# KiCad board mtk64_R_rev2.kicad_pcb (continued)
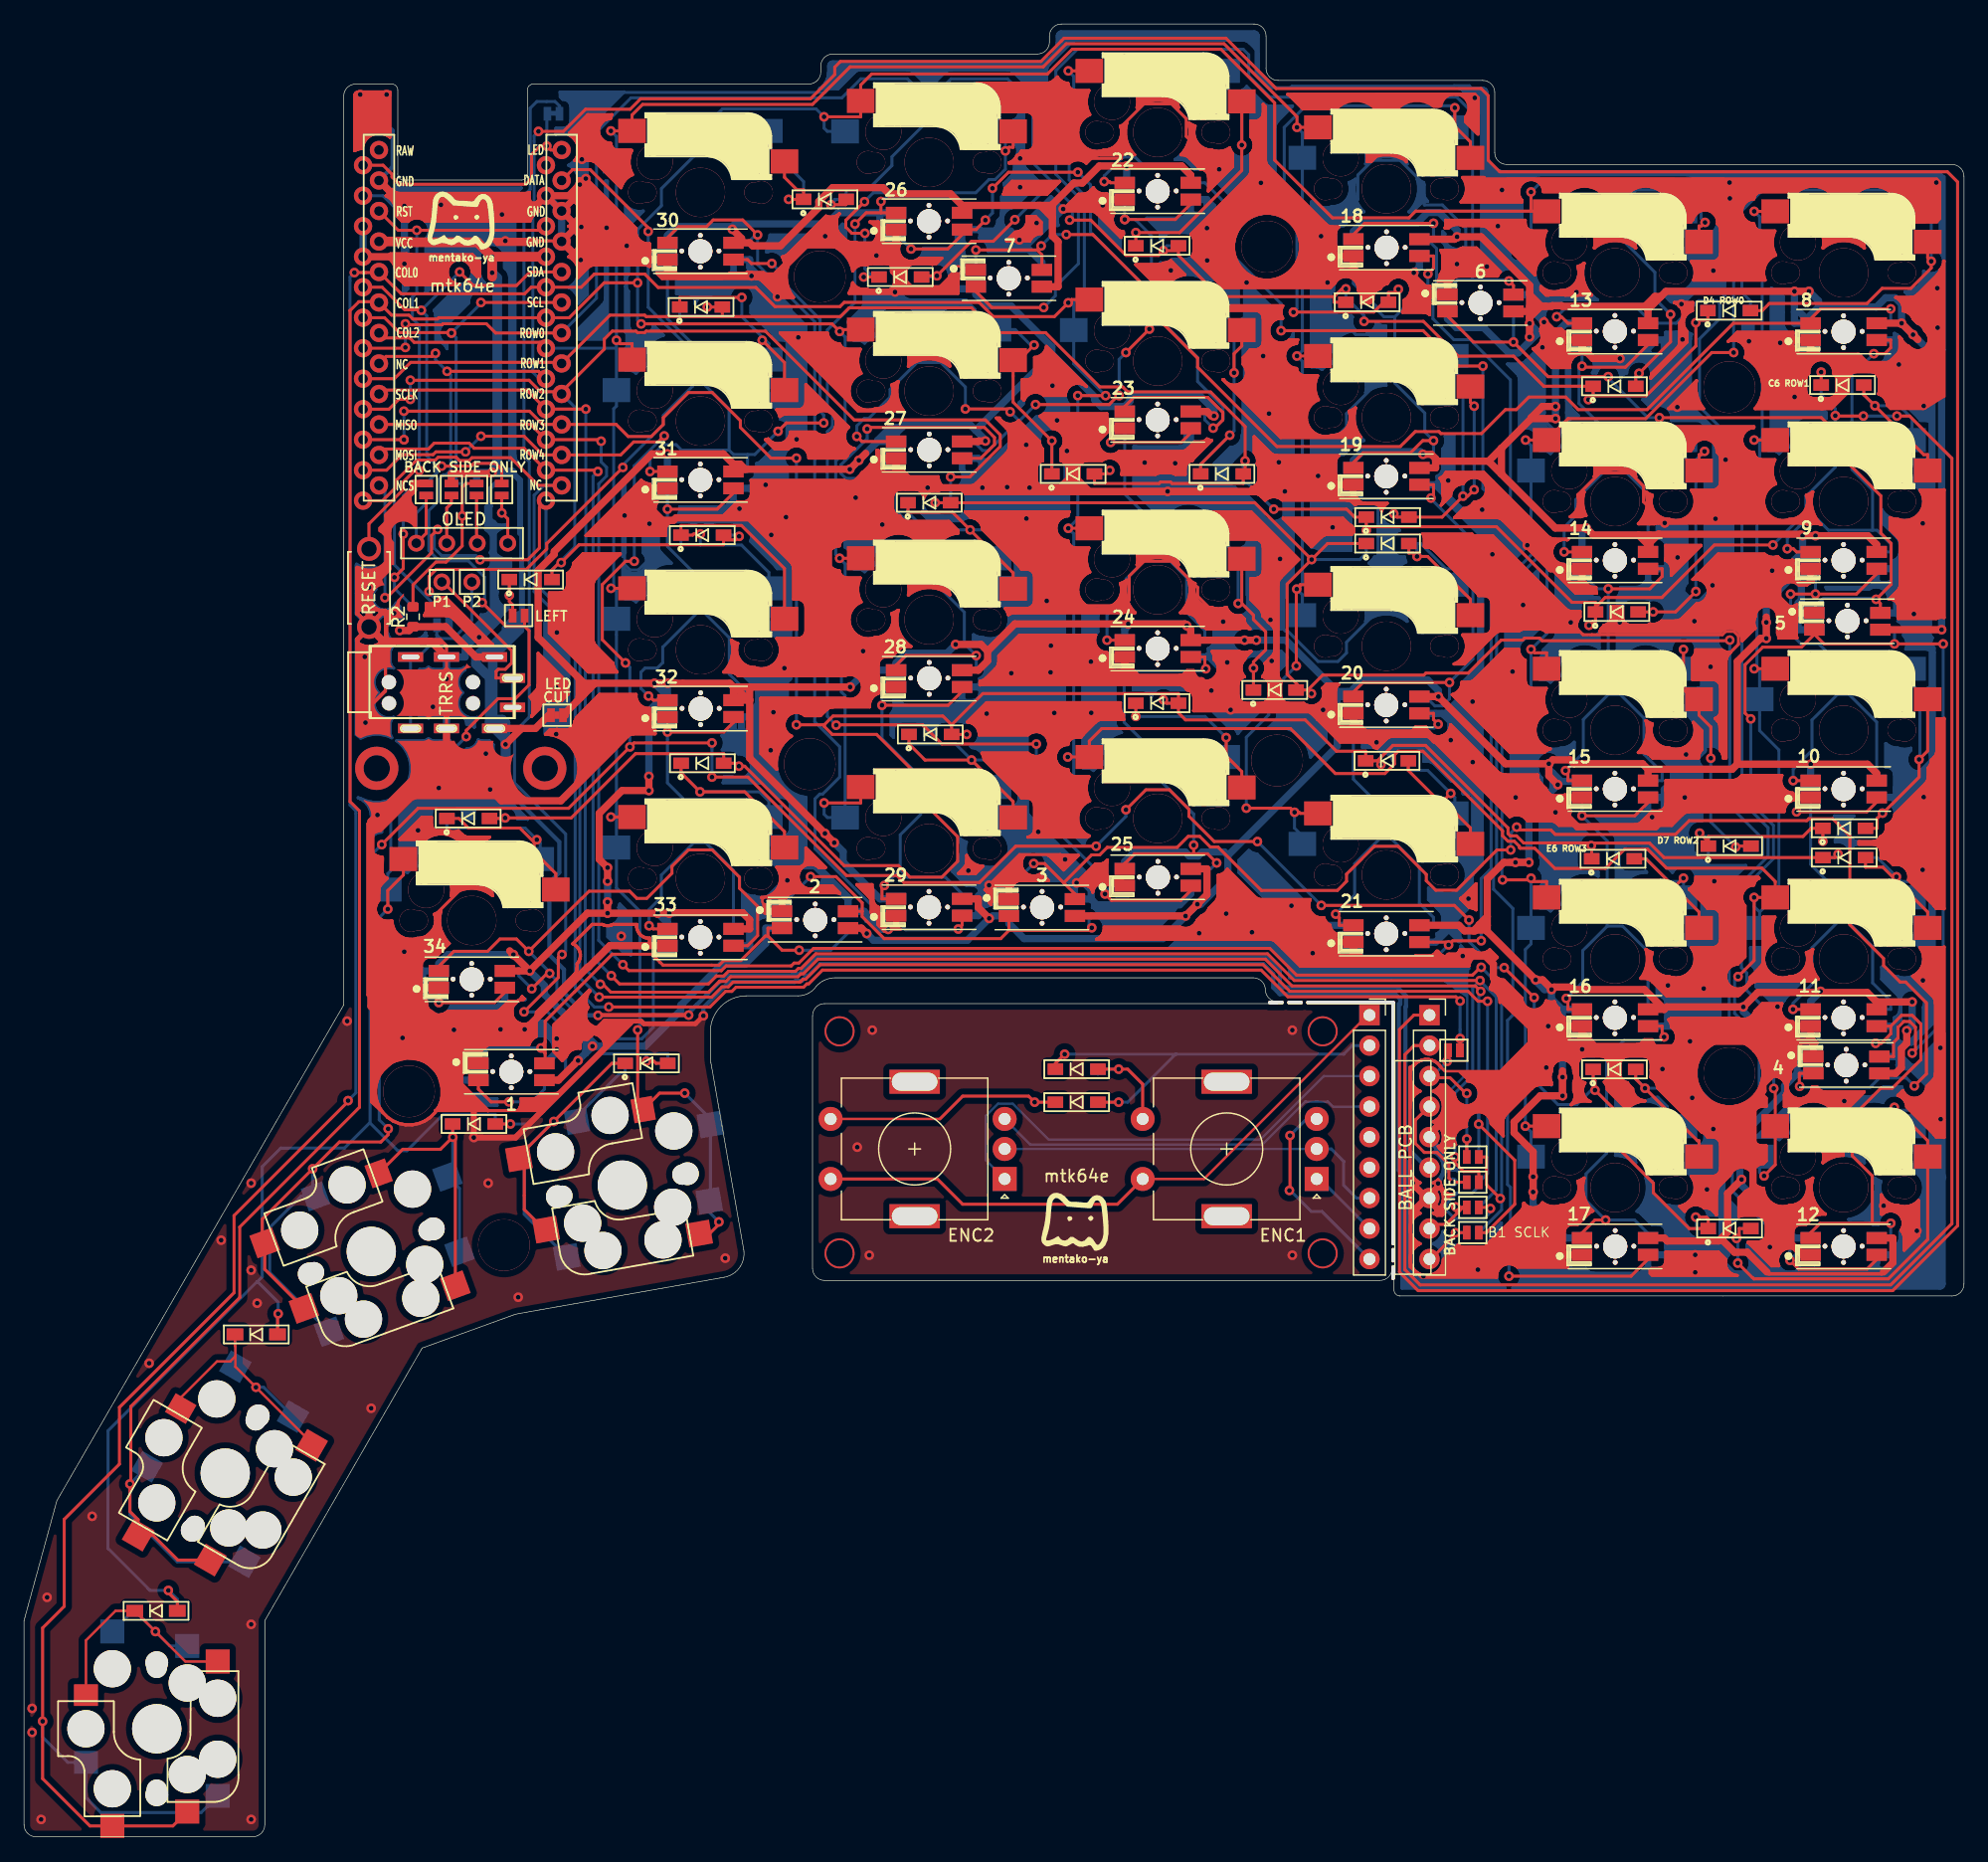
[diagram p0: board, top side]
## Routing (per net, layer and track width the routed paths; a pad name or vN(x,y) marks a point on that pad's centre or on a via; arc(x,y) is an arc through that point) (continued)
; 115.8,47.25 115.64,47.47 ; 115.99,47.05 116.21,46.9 ; 115.99,47.05 116.21,46.9 ; 47.46,66.89 47.66,66.85 ; 47.46,66.89 47.66,66.85 ; 47.46,66.89 47.26,66.89 ; 47.46,66.89 47.26,66.89 ; 47.66,66.85 47.85,66.77 ; 47.66,66.85 47.85,66.77 ; 82.62,79.54 82.52,79.45 ; 82.62,79.54 82.52,79.45 ; 146.07,71.6 146.37,71.54 ; 146.07,71.6 145.78,71.72 ; 146.07,71.6 145.78,71.72 ; 146.07,71.6 146.37,71.54 ; 146.37,71.54 146.69,71.54 ; 146.37,71.54 146.69,71.54 ; 78.85,92.82 78.65,92.86 ; 78.85,92.82 79.04,92.74 ; 78.85,92.82 79.04,92.74 ; 78.85,92.82 78.65,92.86 ; 78.65,92.86 78.59,92.86 ; 78.65,92.86 78.59,92.86 ; 118.37,52.96 118.29,52.77 ; 118.37,52.96 118.48,53.13 ; 118.37,52.96 118.29,52.77 ; 118.37,52.96 118.48,53.13 ; 118.29,52.77 118.25,52.57 ; 118.29,52.77 118.25,52.57 ; 28.74,100.6 27.79,99.65 ; 28.74,100.6 29.7,99.65 ; 28.74,100.6 29.7,99.65 ; 28.74,100.6 27.79,99.65 ; 27.79,99.65 27.88,99.38 ; 27.79,99.65 27.88,99.38 ; 148.43,110.52 148.54,110.79 ; 148.43,110.52 148.54,110.79 ; 148.54,110.79 148.59,111.08 ; 148.54,110.79 148.59,111.08 ; 87.02,135.7 86.82,135.66 ; 87.02,135.7 87.22,135.7 ; 87.02,135.7 87.22,135.7 ; 87.02,135.7 86.82,135.66 ; 86.82,135.66 86.63,135.58 ; 86.82,135.66 86.63,135.58 ; 86.01,109.3 85.97,109.1 ; 86.01,109.3 86.09,109.49 ; 86.01,109.3 86.09,109.49 ; 86.01,109.3 85.97,109.1 ; 85.97,109.1 85.97,108.89 ; 85.97,109.1 85.97,108.89 ; 91.44,104.02 91.39,104.31 ; 91.44,104.02 91.39,104.31 ; 91.44,104.02 91.44,103.73 ; 91.44,104.02 91.44,103.73 ; 91.39,104.31 91.35,104.4 ; 91.39,104.31 91.35,104.4 ; 130.89,113.98 130.82,114.32 ; 130.89,113.98 130.82,114.32 ; 130.89,113.98 130.89,113.56 ; 130.89,113.98 130.89,113.56 ; 130.82,114.32 131.03,114.41 ; 130.82,114.32 131.03,114.41 ; 91.4,93.71 91.45,93.6 ; 91.4,93.71 91.45,93.6 ; 91.45,93.6 91.53,93.5 ; 91.45,93.6 91.53,93.5 ; 67.71,135.04 67.88,135.15 ; 67.71,135.04 67.53,134.96 ; 67.71,135.04 67.53,134.96 ; 67.71,135.04 67.88,135.15 ; 67.88,135.15 67.93,135.19 ; 67.88,135.15 67.93,135.19 ; 129.65,101.63 129.59,101.58 ; 129.65,101.63 129.59,101.58 ; 129.59,101.58 129.48,101.41 ; 129.59,101.58 129.48,101.41 ; 127.13,86.83 127.3,86.72 ; 127.13,86.83 127.3,86.72 ; 48.35,66.15 48.39,65.95 ; 48.35,66.15 48.39,65.95 ; 48.35,66.15 48.28,66.34 ; 48.35,66.15 48.28,66.34 ; 48.39,65.95 48.39,65.75 48.39,65.95 ; 130.27,104.28 130.37,104.19 ; 130.27,104.28 130.37,104.19 ; 130.37,104.19 130.49,104.13 ; 130.37,104.19 130.49,104.13 ; 34.07,68.57 34.26,68.49 ; 34.07,68.57 34.26,68.49 ; 34.07,68.57 33.9,68.68 ; 34.07,68.57 33.9,68.68 ; 34.26,68.49 34.46,68.45 ; 34.26,68.49 34.46,68.45 ; 89.22,111.97 94.53,111.97 ; 89.22,111.97 89.19,111.96 ; 89.22,111.97 94.53,111.97 ; 89.22,111.97 89.19,111.96 ; 94.53,111.97 94.56,111.96 ; 94.53,111.97 94.56,111.96 ; 86.63,135.58 86.62,135.58 ; 86.63,135.58 86.62,135.58 ; 156.16,102.45 156.14,102.58 ; 156.16,102.45 156.16,101.49 ; 156.16,102.45 156.14,102.58 ; 156.16,102.45 156.16,101.49 ; 156.14,102.58 156.11,102.69 ; 156.14,102.58 156.11,102.69 ; 96.23,96.73 96.26,96.73 ; 96.23,96.73 92.69,96.73 ; 96.23,96.73 92.69,96.73 ; 96.23,96.73 96.26,96.73 ; 96.26,96.73 96.29,96.73 ; 96.26,96.73 96.29,96.73 ; 128.34,68.22 128.35,68.22 ; 128.34,68.22 128.35,68.22 ; 128.35,68.22 128.33,68.15 ; 128.35,68.22 128.33,68.15 ; 147.56,123.72 147.66,123.65 ; 147.56,123.72 147.66,123.65 ; 147.66,123.65 147.77,123.59 ; 147.66,123.65 147.77,123.59 ; 80.76,79.06 80.68,78.96 ; 80.76,79.06 80.68,78.96 ; 80.76,79.06 80.86,79.14 ; 80.76,79.06 80.86,79.14 ; 80.68,78.96 80.62,78.85 ; 80.68,78.96 80.62,78.85 ; 129.68,124.8 129.68,124.82 ; 129.68,124.8 128.48,124.8 ; 129.68,124.8 128.48,124.8 ; 129.68,124.8 129.68,124.82 ; 129.68,124.82 129.94,124.82 ; 129.68,124.82 129.94,124.82 ; 113.9,91.66 113.75,91.62 ; 113.9,91.66 114.01,91.67 ; 113.9,91.66 114.01,91.67 ; 113.9,91.66 113.75,91.62 ; 113.75,91.62 113.62,91.55 ; 113.75,91.62 113.62,91.55 ; 102.56,78.29 102.54,78.32 ; 102.56,78.29 102.54,78.32 ; 44.6,132.9 44.78,133.08 ; 44.6,132.9 44.61,132.89 ; 44.6,132.9 44.78,133.08 ; 44.6,132.9 44.61,132.89 ; 44.78,133.08 44.79,133.06 ; 44.78,133.08 44.79,133.06 ; 126.73,128.87 127.02,128.75 ; 126.73,128.87 126.47,129.04 ; 126.73,128.87 126.47,129.04 ; 126.73,128.87 127.02,128.75 ; 127.02,128.75 127.32,128.69 ; 127.02,128.75 127.32,128.69 ; 113.39,129.33 113.26,129.26 ; 113.39,129.33 113.54,129.37 ; 113.39,129.33 113.54,129.37 ; 113.39,129.33 113.26,129.26 ; 113.26,129.26 113.15,129.17 ; 113.26,129.26 113.15,129.17 ; 74.89,111.84 74.84,111.96 ; 74.89,111.84 74.84,111.96 ; 74.84,111.96 74.76,112.05 ; 74.84,111.96 74.76,112.05 ; 135.38,100.96 135.49,101.02 ; 135.38,100.96 135.49,101.02 ; 135.49,101.02 135.5,101.03 ; 135.49,101.02 135.5,101.03 ; 92.18,140.17 92.32,140.11 ; 92.18,140.17 92.32,140.11 ; 80.58,78.73 80.57,78.61 ; 80.58,78.73 80.62,78.85 ; 80.58,78.73 80.57,78.61 ; 80.58,78.73 80.62,78.85 ; 80.57,78.61 80.58,78.39 ; 80.57,78.61 80.31,78.61 ; 80.57,78.61 80.58,78.39 ; 80.57,78.61 80.31,78.61 ; 80.57,78.61 80.31,78.61 ; 80.57,78.61 80.31,78.61 ; 125.73,52.38 125.92,52.4 ; 125.73,52.38 125.55,52.4 ; 125.73,52.38 125.92,52.4 ; 125.73,52.38 125.55,52.4 ; 125.92,52.4 126.09,52.45 ; 125.92,52.4 126.09,52.45 ; 140.16,135.51 139.96,135.51 ; 140.16,135.51 139.96,135.51 ; 140.16,135.51 140.36,135.47 ; 140.16,135.51 140.36,135.47 ; 139.96,135.51 139.76,135.47 ; 139.96,135.51 139.76,135.47 ; 105.57,122.43 105.76,122.35 ; 105.57,122.43 105.76,122.35 ; 105.76,122.35 105.96,122.31 ; 105.76,122.35 105.96,122.31 ; 82.19,79.08 82.19,78.23 ; 82.19,79.08 82.35,79.24 ; 82.19,79.08 82.35,79.24 ; 82.19,79.08 82.19,78.23 ; 82.19,78.23 82.21,78.23 ; 82.19,78.23 82.21,78.23 ; 144.15,100.6 144.23,100.64 ; 144.15,100.6 144.23,100.64 ; 115,127.99 114.97,127.98 ; 115,127.99 114.97,127.98 ; 91.84,79.08 91.58,79.08 ; 91.84,79.08 91.58,79.08 ; 91.84,79.08 91.84,79.1 ; 91.84,79.08 91.84,79.1 ; 91.58,79.08 91.58,79.1 ; 91.58,79.08 91.58,79.1 ; 67.77,134.95 67.77,134.94 ; 67.77,134.95 67.84,135.07 ; 67.77,134.95 67.77,134.94 ; 67.77,134.95 67.84,135.07 ; 67.77,134.94 67.72,134.8 ; 67.77,134.94 67.72,134.8 ; 86.91,112.93 86.92,113.05 ; 86.91,112.93 86.92,113.05 ; 86.91,112.93 86.87,112.81 ; 86.91,112.93 86.87,112.81 ; 86.92,113.05 86.92,114 ; 86.92,113.05 86.92,114 ; 141.24,55.3 141.3,55.41 ; 141.24,55.3 141.3,55.41 ; 141.24,55.3 141.16,55.2 ; 141.24,55.3 141.16,55.2 ; 141.3,55.41 141.34,55.53 ; 141.3,55.41 141.34,55.53 ; 155.44,81.28 155.42,81.3 ; 155.44,81.28 155.74,80.97 ; 155.44,81.28 155.42,81.3 ; 155.44,81.28 155.74,80.97 ; 142.32,87.99 142.37,87.99 ; 142.32,87.99 142.37,87.99 ; 142.37,87.99 142.51,88 ; 142.37,87.99 142.51,88 ; 38.7,60.49 38.62,60.49 38.7,60.49 ; 38.7,60.49 38.62,60.49 30.98,68.14 30.7,68.14 ; 38.7,60.49 36.4,62.79 36.4,63.5 37.2,64.3 38.01,64.3 ; 38.7,60.49 38.63,60.51 38.7,60.49 ; 136.79,87.2 136.76,87.28 ; 136.79,87.2 136.8,87.08 ; 136.79,87.2 136.8,87.08 ; 136.79,87.2 136.76,87.28 ; 136.76,87.28 136.79,87.35 ; 136.76,87.28 136.79,87.35 ; 104.09,115.1 104.1,115.1 ; 104.09,115.1 104.1,115.1 ; 104.09,115.1 103.96,115.17 ; 104.09,115.1 103.96,115.17 ; 104.1,115.1 104.24,115.06 ; 104.1,115.1 104.24,115.06 ; 65.16,115.5 65.02,115.64 ; 65.16,115.5 65.27,115.33 ; 65.16,115.5 65.02,115.64 ; 65.16,115.5 65.27,115.33 ; 65.02,115.64 64.85,115.76 ; 65.02,115.64 64.85,115.76 ; 110.89,111.65 111.05,111.49 ; 110.89,111.65 110.89,112.5 ; 110.89,111.65 110.89,112.5 ; 110.89,111.65 111.05,111.49 ; 111.05,111.49 111.07,111.49 ; 111.05,111.49 111.07,111.49 ; 101.31,121.03 101.48,121.14 ; 101.31,121.03 101.48,121.14 ; 117.11,127.56 117.12,127.69 ; 117.11,127.56 117.12,127.69 ; 53.74,74.08 53.48,74.08 ; 53.74,74.08 53.74,74.1 ; 53.74,74.08 53.74,74.1 ; 53.74,74.08 53.48,74.08 ; 53.48,74.08 53.48,74.1 ; 53.48,74.08 53.48,74.1 ; 76.94,123.61 77.15,123.52 ; 76.94,123.61 76.59,123.85 ; 76.94,123.61 76.59,123.85 ; 76.94,123.61 77.15,123.52 ; 77.15,123.52 77.09,123.18 ; 77.15,123.52 77.09,123.18 ; 149.54,123.18 149.67,123.14 ; 149.54,123.18 149.42,123.24 ; 149.54,123.18 149.67,123.14 ; 149.54,123.18 149.42,123.24 ; 149.67,123.14 149.78,123.13 ; 149.67,123.14 149.78,123.13 ; 63.72,78.52 63.62,78.43 ; 63.72,78.52 63.84,78.59 ; 63.72,78.52 63.62,78.43 ; 63.72,78.52 63.84,78.59 ; 63.62,78.43 63.53,78.33 ; 63.62,78.43 63.53,78.33 ; 144.05,134.36 143.85,134.4 ; 144.05,134.36 143.85,134.4 ; 134.52,109.37 134.5,109.37 ; 134.52,109.37 134.56,109.37 ; 134.52,109.37 134.56,109.37 ; 134.52,109.37 134.5,109.37 ; 134.5,109.37 134.65,109.51 ; 134.5,109.37 134.65,109.51 ; 80.81,143.51 80.78,143.47 ; 80.81,143.51 80.78,143.47 ; 80.81,143.51 80.91,143.59 ; 80.81,143.51 80.91,143.59 ; 80.78,143.47 80.58,143.67 ; 80.78,143.47 80.58,143.67 ; 41.81,136.89 41.88,136.89 ; 41.81,136.89 41.77,136.89 ; 41.81,136.89 41.77,136.89 ; 41.81,136.89 41.88,136.89 ; 41.88,136.89 41.96,136.9 ; 41.88,136.89 41.96,136.9 ; 29.7,99.65 29.61,99.38 ; 29.7,99.65 29.61,99.38 ; 118.2,130.69 118.2,131.64 ; 118.2,130.69 118.2,130.65 ; 118.2,130.69 118.2,131.64 ; 118.2,130.69 118.2,130.65 ; 118.2,131.64 118.2,131.68 ; 118.2,131.64 118.2,131.68 ; 87.8,104.03 87.8,103.72 ; 87.8,104.03 87.86,104.34 ; 87.8,104.03 87.86,104.34 ; 87.8,104.03 87.8,103.72 ; 87.8,103.72 87.86,103.41 ; 87.8,103.72 87.86,103.41 ; 84.75,134.49 84.75,133.55 ; 84.75,134.49 84.28,134.96 ; 84.75,134.49 84.75,133.55 ; 84.75,134.49 84.28,134.96 ; 84.75,133.55 84.64,133.55 ; 84.75,133.55 84.64,133.55 ; 151.02,120.45 151.02,121.4 ; 151.02,120.45 151.02,121.4 ; 151.02,121.4 151.01,121.53 ; 151.02,121.4 151.01,121.53 ; 142.22,100.72 142.02,100.72 ; 142.22,100.72 142.02,100.72 ; 142.22,100.72 142.42,100.68 ; 142.22,100.72 142.42,100.68 ; 142.02,100.72 141.82,100.68 ; 142.02,100.72 141.82,100.68 ; 84.2,85.91 84.19,86.03 ; 84.2,85.91 84.2,83.91 ; 84.2,85.91 84.19,86.03 ; 84.2,85.91 84.2,83.91 ; 84.19,86.03 84.15,86.15 ; 84.19,86.03 84.15,86.15 ; 146.09,63.33 145.89,63.37 ; 146.09,63.33 146.27,63.25 ; 146.09,63.33 145.89,63.37 ; 146.09,63.33 146.27,63.25 ; 145.89,63.37 145.68,63.37 ; 145.89,63.37 145.68,63.37 ; 97.15,142.24 97.04,142.76 ; 97.15,142.24 97.15,141.71 ; 97.15,142.24 97.04,142.76 ; 97.15,142.24 97.15,141.71 ; 97.04,142.76 97.04,142.77 ; 97.04,142.76 97.04,142.77 ; 97.04,142.77 97.26,142.62 ; 97.04,142.77 97.26,142.62 ; 133.21,101.43 133.25,101.31 ; 133.21,101.43 133.2,101.55 ; 133.21,101.43 133.25,101.31 ; 133.21,101.43 133.2,101.55 ; 133.25,101.31 133.3,101.2 ; 133.25,101.31 133.3,101.2 ; 146.1,106.64 146.11,106.63 ; 146.1,106.64 146.02,106.61 ; 146.1,106.64 146.02,106.61 ; 146.1,106.64 146.11,106.63 ; 146.11,106.63 146.25,106.49 ; 146.11,106.63 146.25,106.49 ; 99.5,97.39 99.5,97.19 ; 99.5,97.39 99.5,97.19 ; 30.81,131.01 30.66,131.24 ; 30.81,131.01 30.92,130.75 ; 30.81,131.01 30.66,131.24 ; 30.81,131.01 30.92,130.75 ; 30.66,131.24 30.46,131.43 ; 30.66,131.24 30.46,131.43 ; 127.19,63.58 127.15,63.38 ; 127.19,63.58 127.15,63.38 ; 127.19,63.58 127.25,63.73 ; 127.19,63.58 127.25,63.73 ; 127.15,63.38 127.15,63.18 ; 127.15,63.38 127.15,63.18 ; 115.8,73.18 115.89,73.29 ; 115.8,73.18 115.7,73.09 ; 115.8,73.18 115.7,73.09 ; 115.8,73.18 115.89,73.29 ; 115.89,73.29 115.94,73.39 ; 115.89,73.29 115.94,73.39 ; 39.05,79.42 38.98,79.08 ; 39.05,79.42 38.98,79.08 ; 39.05,79.42 38.84,79.51 ; 39.05,79.42 38.84,79.51 ; 38.98,79.08 38.98,78.66 ; 38.98,79.08 38.98,78.66 ; 141.27,66.28 140.77,66.07 ; 141.27,66.28 140.77,66.07 ; 141.27,66.28 141.81,66.39 ; 141.27,66.28 141.81,66.39 ; 140.77,66.07 140.31,65.76 ; 140.77,66.07 140.31,65.76 ; 144.49,55.97 144.32,55.85 ; 144.49,55.97 144.32,55.85 ; 144.32,55.85 144.17,55.71 ; 144.32,55.85 144.17,55.71 ; 126.14,62.64 126.1,62.63 ; 126.14,62.64 126.16,62.64 ; 126.14,62.64 126.1,62.63 ; 126.14,62.64 126.16,62.64 ; 126.1,62.63 125.97,62.59 ; 126.1,62.63 125.97,62.59 ; 154.54,82.49 154.44,82.57 ; 154.54,82.49 154.44,82.57 ; 154.54,82.49 154.62,82.39 ; 154.54,82.49 154.62,82.39 ; 154.44,82.57 154.33,82.63 ; 154.44,82.57 154.33,82.63 ; 147.69,101.18 147.68,101.05 ; 147.69,101.18 147.72,101.25 ; 147.69,101.18 147.72,101.25 ; 147.69,101.18 147.68,101.05 ; 147.68,101.05 147.68,100.05 ; 147.68,101.05 147.68,100.05 ; 111.32,130.24 111.44,130.18 ; 111.32,130.24 111.44,130.18 ; 137.8,71.54 137.48,71.54 ; 137.8,71.54 137.48,71.54 ; 110.63,93.7 110.63,93.72 ; 110.63,93.7 109.43,93.7 ; 110.63,93.7 109.43,93.7 ; 110.63,93.7 110.63,93.72 ; 110.63,93.72 110.89,93.72 ; 110.63,93.72 110.89,93.72 ; 154.56,120.33 154.57,120.45 ; 154.56,120.33 154.52,120.21 ; 154.56,120.33 154.57,120.45 ; 154.56,120.33 154.52,120.21 ; 154.57,120.45 154.57,121.4 ; 154.57,120.45 154.57,121.4 ; 156.33,107.74 156.32,107.78 ; 156.33,107.74 156.32,107.78 ; 90.38,98.15 91.58,98.15 ; 90.38,98.15 91.58,98.15 ; 108.12,108.31 108.19,108.36 ; 108.12,108.31 108.19,108.36 ; 136.63,71.7 136.91,71.64 ; 136.63,71.7 136.36,71.81 ; 136.63,71.7 136.36,71.81 ; 136.63,71.7 136.91,71.64 ; 136.91,71.64 137.08,71.64 ; 136.91,71.64 137.08,71.64 ; 148.55,121.76 148.5,121.64 ; 148.55,121.76 148.5,121.64 ; 153.34,132.35 153.32,132.36 ; 153.34,132.35 153.28,132.61 ; 153.34,132.35 153.32,132.36 ; 153.34,132.35 153.28,132.61 ; 153.32,132.36 152.88,132.66 ; 153.32,132.36 152.88,132.66 ; 150.84,121.85 150.77,121.91 ; 150.84,121.85 150.92,121.76 ; 150.84,121.85 150.77,121.91 ; 150.84,121.85 150.92,121.76 ; 150.77,121.91 150.77,122.11 ; 150.77,121.91 150.77,122.11 ; 144.77,51.73 144.65,51.77 ; 144.77,51.73 144.65,51.77 ; 144.77,51.73 144.88,51.67 ; 144.77,51.73 144.88,51.67 ; 144.65,51.77 144.53,51.78 ; 144.65,51.77 144.53,51.78 ; 129.68,48.6 129.68,48.62 ; 129.68,48.6 128.48,48.6 ; 129.68,48.6 128.48,48.6 ; 129.68,48.6 129.68,48.62 ; 129.68,48.62 129.94,48.62 ; 129.68,48.62 129.94,48.62 ; 144.17,134.15 144.23,134.04 ; 144.17,134.15 144.23,134.04 ; 49.39,140.47 49.51,140.46 ; 49.39,140.47 49.27,140.51 ; 49.39,140.47 49.27,140.51 ; 49.39,140.47 49.51,140.46 ; 49.51,140.46 50.63,140.46 ; 49.51,140.46 50.63,140.46 ; 114.01,91.67 114.05,91.67 ; 114.01,91.67 114.05,91.67 ; 84.86,112.42 84.99,112.41 ; 84.86,112.42 84.99,112.41 ; 84.86,112.42 84.74,112.46 ; 84.86,112.42 84.74,112.46 ; 84.99,112.41 86.28,112.41 ; 84.99,112.41 86.28,112.41 ; 75.79,128.92 75.89,129 ; 75.79,128.92 75.68,128.86 ; 75.79,128.92 75.68,128.86 ; 75.79,128.92 75.89,129 ; 75.89,129 75.89,129 ; 75.89,129 75.89,129 ; 54.14,109.7 54.1,109.65 ; 54.14,109.7 54.1,109.67 ; 54.14,109.7 54.1,109.67 ; 54.14,109.7 54.1,109.65 ; 54.1,109.65 54.04,109.53 ; 54.1,109.65 54.04,109.53 ; 145.13,72.37 145.3,72.11 ; 145.13,72.37 145.01,72.66 ; 145.13,72.37 145.01,72.66 ; 145.13,72.37 145.3,72.11 ; 145.3,72.11 145.52,71.89 ; 145.3,72.11 145.52,71.89 ; 109.28,113.25 109.27,113.13 ; 109.28,113.25 109.31,113.33 ; 109.28,113.25 109.27,113.13 ; 109.28,113.25 109.31,113.33 ; 109.27,113.13 109.28,112.91 ; 109.27,113.13 109.28,112.91 ; 139.16,92.64 139.08,92.83 ; 139.16,92.64 139.22,92.33 ; 139.16,92.64 139.08,92.83 ; 139.16,92.64 139.22,92.33 ; 139.08,92.83 139.78,92.14 ; 139.08,92.83 139.78,92.14 ; 51.68,130.93 47.55,130.93 ; 51.68,130.93 51.72,130.93 ; 51.68,130.93 47.55,130.93 ; 51.68,130.93 51.72,130.93 ; 47.55,130.93 47.52,130.93 ; 47.55,130.93 47.52,130.93 ; 40.74,68.22 40.86,68.05 ; 40.74,68.22 40.67,68.41 ; 40.74,68.22 40.86,68.05 ; 40.74,68.22 40.67,68.41 ; 40.86,68.05 41,67.91 ; 40.86,68.05 41,67.91 ; 112.56,90.73 112.48,90.73 ; 112.56,90.73 112.68,90.69 ; 112.56,90.73 112.48,90.73 ; 112.56,90.73 112.68,90.69 ; 112.48,90.73 112.42,90.85 ; 112.48,90.73 112.42,90.85 ; 79.74,95.97 79.65,95.95 ; 79.74,95.97 79.65,95.95 ; 79.74,95.97 79.85,95.99 ; 79.74,95.97 79.85,95.99 ; 79.65,95.95 79.65,96.25 ; 79.65,95.95 79.65,96.25 ; 74.94,111.48 75,111.62 ; 74.94,111.48 75,111.62 ; 72.51,130.53 72.47,130.64 ; 72.51,130.53 72.47,130.64 ; 146.53,102.71 146.7,102.6 ; 146.53,102.71 146.38,102.86 ; 146.53,102.71 146.7,102.6 ; 146.53,102.71 146.38,102.86 ; 146.7,102.6 146.88,102.52 ; 146.7,102.6 146.88,102.52 ; 54.1,109.67 53.91,109.59 ; 54.1,109.67 53.91,109.59 ; 148.99,105.75 149.01,105.75 ; 148.99,105.75 148.99,105.77 ; 148.99,105.75 148.99,105.77 ; 148.99,105.75 149.01,105.75 ; 149.01,105.75 149.01,105.5 ; 149.01,105.75 149.01,105.5 ; 122.8,130.09 122.77,130.01 ; 122.8,130.09 122.91,130.26 ; 122.8,130.09 122.77,130.01 ; 122.8,130.09 122.91,130.26 ; 122.77,130.01 119.58,130.01 ; 122.77,130.01 119.58,130.01 ; 151.12,134.73 151.21,135.15 ; 151.12,134.73 150.96,134.34 ; 151.12,134.73 151.21,135.15 ; 151.12,134.73 150.96,134.34 ; 151.21,135.15 151.21,135.57 ; 151.21,135.15 151.21,135.57 ; 69.48,118.78 63,125.26 ; 69.48,118.78 63,125.26 ; 62.56,115.6 61.78,116.38 ; 62.56,115.6 61.78,116.38 ; 62.56,115.6 63.65,115.6 ; 62.56,115.6 63.65,115.6 ; 61.78,116.38 61.9,116.4 ; 61.78,116.38 61.9,116.4 ; 130.27,66.18 130.37,66.09 ; 130.27,66.18 130.18,66.29 ; 130.27,66.18 130.37,66.09 ; 130.27,66.18 130.18,66.29 ; 130.37,66.09 130.49,66.03 ; 130.37,66.09 130.49,66.03 ; 37.97,131.19 37.97,130.38 ; 37.97,131.19 37.97,130.38 ; 37.97,130.38 37.97,130.18 ; 37.97,130.38 37.97,130.18 ; 33.07,72.63 33.07,71.63 ; 33.07,72.63 33.08,72.75 ; 33.07,72.63 33.07,71.63 ; 33.07,72.63 33.08,72.75 ; 33.07,71.63 33.08,71.5 ; 33.07,71.63 33.08,71.5 ; 121.74,112.7 121.63,112.87 ; 121.74,112.7 121.63,112.87 ; 121.74,112.7 121.82,112.51 ; 121.74,112.7 121.82,112.51 ; 90.26,118.03 90.23,117.95 ; 90.26,118.03 90.23,117.95 ; 90.26,118.03 90.23,118.1 ; 90.26,118.03 90.23,118.1 ; 90.23,117.95 90.22,117.83 ; 90.23,117.95 90.22,117.83 ; 59.91,97.72 60.16,97.56 ; 59.91,97.72 60.16,97.56 ; 59.91,97.72 59.71,97.93 ; 59.91,97.72 59.71,97.93 ; 60.16,97.56 60.43,97.45 ; 60.16,97.56 60.43,97.45 ; 77.86,112.24 76.56,112.24 ; 77.86,112.24 77.98,112.23 ; 77.86,112.24 76.56,112.24 ; 77.86,112.24 77.98,112.23 ; 76.56,112.24 76.43,112.23 ; 76.56,112.24 76.43,112.23 ; 127.35,128.48 127.17,128.46 ; 127.35,128.48 127.17,128.46 ; 127.35,128.48 127.4,128.47 ; 127.35,128.48 127.4,128.47 ; 127.17,128.46 127.03,128.42 ; 127.17,128.46 127.03,128.42 ; 89.96,75.42 90,75.62 ; 89.96,75.42 90,75.62 ; 100.78,132.72 100.78,132.18 ; 100.78,132.72 100.78,132.18 ; 72.13,128.86 72.24,128.92 ; 72.13,128.86 72.01,128.82 ; 72.13,128.86 72.24,128.92 ; 72.13,128.86 72.01,128.82 ; 72.24,128.92 72.34,129 ; 72.24,128.92 72.34,129 ; 149.79,118.97 149.75,118.97 ; 149.79,118.97 149.75,118.97 ; 149.75,118.97 149.72,118.97 ; 149.75,118.97 149.72,118.97 ; 144.8,102.47 144.64,102.38 ; 144.8,102.47 144.98,102.52 ; 144.8,102.47 144.98,102.52 ; 144.8,102.47 144.64,102.38 ; 144.64,102.38 144.5,102.27 ; 144.64,102.38 144.5,102.27 ; 105.96,124.38 105.76,124.34 ; 105.96,124.38 106.03,124.38 ; 105.96,124.38 105.76,124.34 ; 105.96,124.38 106.03,124.38 ; 105.76,124.34 105.57,124.26 ; 105.76,124.34 105.57,124.26 ; 115.64,47.47 115.54,47.73 ; 115.64,47.47 115.54,47.73 ; 101.82,122.25 101.74,122.44 ; 101.82,122.25 101.86,122.05 ; 101.82,122.25 101.86,122.05 ; 101.82,122.25 101.74,122.44 ; 101.74,122.44 101.62,122.61 ; 101.74,122.44 101.62,122.61 ; 38.49,83.06 38.79,83.26 ; 38.49,83.06 38.79,83.26 ; 127.83,106.11 128.02,106.03 ; 127.83,106.11 127.66,106.22 ; 127.83,106.11 128.02,106.03 ; 127.83,106.11 127.66,106.22 ; 128.02,106.03 128.22,105.99 ; 128.02,106.03 128.22,105.99 ; 121.12,111.21 121.31,111.29 ; 121.12,111.21 121.31,111.29 ; 69.13,96.77 68.93,96.81 ; 69.13,96.77 68.93,96.81 ; 69.13,96.77 69.32,96.69 ; 69.13,96.77 69.32,96.69 ; 68.93,96.81 68.73,96.81 ; 68.93,96.81 68.73,96.81 ; 68.36,112.97 68.5,112.91 ; 68.36,112.97 68.5,112.91 ; 68.5,112.91 68.7,112.87 ; 68.5,112.91 68.7,112.87 ; 155.17,81.47 155.11,81.49 ; 155.17,81.47 155.11,81.49 ; 155.17,81.47 155.24,81.43 ; 155.17,81.47 155.24,81.43 ; 155.11,81.49 155.02,81.51 ; 155.11,81.49 155.02,81.51 ; 130.23,61.29 129.81,61.29 ; 130.23,61.29 130.48,61.24 ; 130.23,61.29 130.48,61.24 ; 130.23,61.29 129.81,61.29 ; 129.81,61.29 129.4,61.21 ; 129.81,61.29 129.4,61.21 ; 107.42,116.99 107.68,116.82 ; 107.42,116.99 107.2,117.22 ; 107.42,116.99 107.68,116.82 ; 107.42,116.99 107.2,117.22 ; 107.68,116.82 107.97,116.7 ; 107.68,116.82 107.97,116.7 ; 149.4,62.45 149.46,62.35 ; 149.4,62.45 148.98,62.45 ; 149.4,62.45 148.98,62.45 ; 149.4,62.45 149.46,62.35 ; 149.46,62.35 149.55,62.25 ; 149.46,62.35 149.55,62.25 ; 149.3,101.8 149.04,101.8 ; 149.3,101.8 149.04,101.8 ; 149.04,101.8 